# Altium PCB HIL_RIG_REV_1_2.PcbDoc (part 12 of 14) (continued)
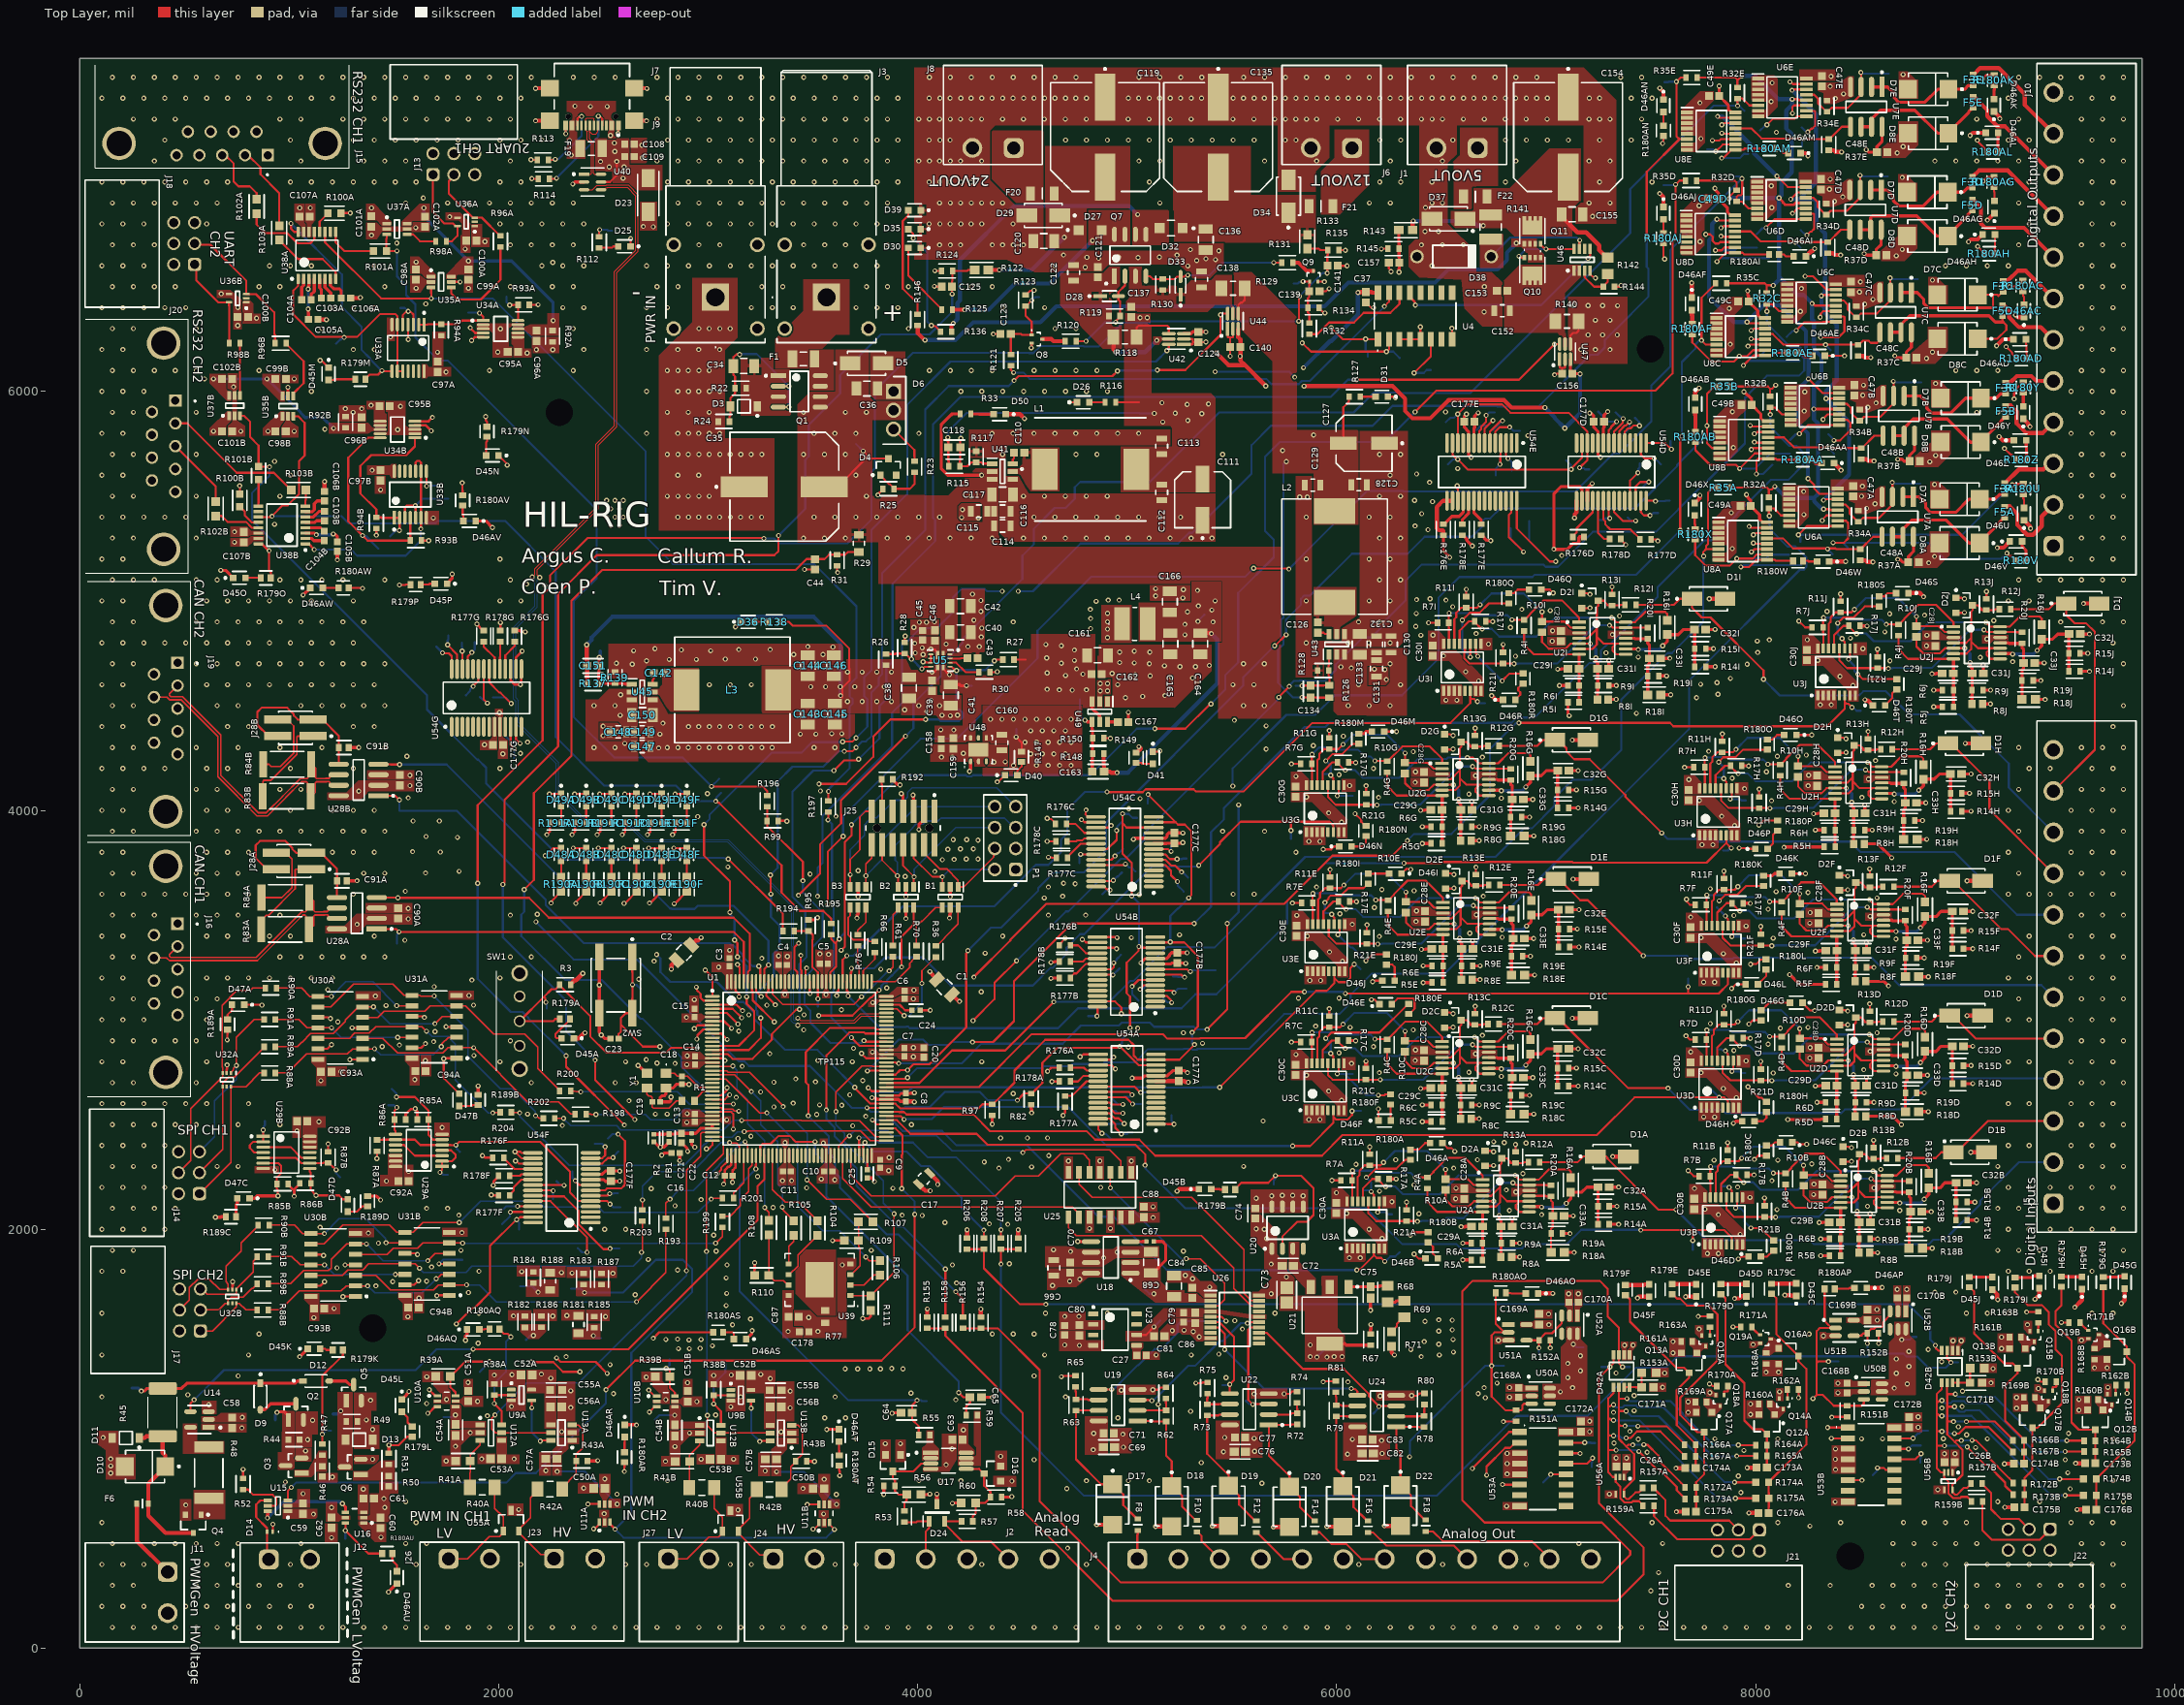
[diagram p0: Top Layer view]
## Nets (pads, with @x,y where several pads share a name; then routed paths per layer and width w, separated by ;. In a path a pad name is that pad's centre, name@x,y a point inside that pad or via, vN(x,y) a via of type N, cw(c..) or ccw(c..) an arc to the next point about the centre after c; other vN are vias at no path point) (continued)
  Bottom Layer w15: v1(1130,5316) 1202.73,5316 1204.3,5317.57 1208.49,5317.57 v1(1210.21,5319.3)
V_REF_HV_24V: R184.2 R188.1 TP103.1 U11A.1 U11B.1 | length 2929
  Top Layer w10: v1(2453.52,570.52) 2456.2,573.2 2462.07,573.2 2480.93,592.06 U11A.1@2480.93,601.91 ; v1(3500.78,569.04) 3503.46,571.72 3509.33,571.72 3528.19,590.58 U11B.1@3528.19,600.43
  Int3 (Sign) w10: v1(2188,1700) 2188,1674 2215.45,1646.55 2232.4,1646.55 2283.17,1595.77 2283.17,1594.48 2360,1517.64 2516.36,1517.64 2714.48,1319.52 2714.62,1319.52 2744.28,1289.85 2744.28,1117.07 2744,1116.79 2744,910 2594.48,760.48 2554.38,760.48 2539.74,745.84 2539.74,714.09 2478.52,652.88 2478.52,644.52 2453.52,619.52 2453.52,532.51 2494.03,492 3423.74,492 v1(3500.78,569.04)
  Bottom Layer w10: TP103.1@2102.24,1727.76 2160.24,1727.76 v1(2188,1700)
V_TERMINAL: F1.1 J3.1
VBUS: C45.1 C46.2 C108.1 C109.1 D23.1 F19.2 R112.1 TP62.1 U5.2 U40.5 | length 300.7
  Top Layer w10: R112.1@2480,6739.2 2480,6770 v1(2482,6772) ; U40.5@2488.37,7000 2532,7000 2564,7032 v1(2564,7098) ; v1(4063.22,4770.25) 4065.9,4767.57 4081.49,4767.57 4091.56,4757.49 4091.56,4744.7 U5.2@4094.44,4741.82
  Bottom Layer w10: v1(2482,6772) 2518.19,6772 2522.19,6768 TP62.1@2542,6768
  other v1: 4026,4744 3988,4752 4022,4776 3986,4798 2535,5360 2575,5360 2515,5400 2555,5400 2595,5400 2535,5440 2575,5440 2515,5480 2555,5480 2595,5480 2594,7018 2528,7072 2598,7072 2486,7098 2554,7146 2552,7186
VBUS_RAW: F19.1 J9.A4-B9 J9.B4-A9
  other v1: 2346,7128 2338,7198 2534,7222 2438,7360 2518,7360 2364,7362
VCAP_1: C25.1 U1.71 | length 67.7
  Top Layer w10: C25.1@3760.14,2284.25 3760.14,2308.5 U1.71@3760.16,2351.95
VCAP_2: C24.1 U1.106 | length 132.5
  Top Layer w10: U1.106@3850.71,3072.42 3913.58,3072.42 3940,3046 C24.1@3972.23,3046
VDD_REGULATED: B1.5 B2.5 B3.5 C1.1 C2.1 C3.2 C4.2 C5.2 C6.2 C7.2 C8.2 C9.2 C10.2 C11.2 C12.2 C13.2 C14.2 C15.2 C16.2 C17.2 C20.2 C63.2 C124.2 C140.2 C156.2 C160.2 D15.2 D16.2 FB1.2 J25.3 P1.1 R2.2 R5A.1 R5B.1 R5C.1 R5D.1 R5E.1 R5F.1 R5G.1 R5H.1 R5I.1 R5J.1 R7A.2 R7B.2 R7C.2 R7D.2 R7E.2 R7F.2 R7G.2 R7H.2 R7I.2 R7J.2 R8A.1 R8B.1 R8C.1 R8D.1 R8E.1 R8F.1 R8G.1 R8H.1 R8I.1 R8J.1 R11A.2 R11B.2 R11C.2 R11D.2 R11E.2 R11F.2 R11G.2 R11H.2 R11I.2 R11J.2 R14A.1 R14B.1 R14C.1 R14D.1 R14E.1 R14F.1 R14G.1 R14H.1 R14I.1 R14J.1 R17A.2 R17B.2 R17C.2 R17D.2 R17E.2 R17F.2 R17G.2 R17H.2 R17I.2 R17J.2 R18A.1 R18B.1 R18C.1 R18D.1 R18E.1 R18F.1 R18G.1 R18H.1 R18I.1 R18J.1 R21A.2 R21B.2 R21C.2 R21D.2 R21E.2 R21F.2 R21G.2 R21H.2 R21I.2 R21J.2 R54.1 R58.1 R147.1 R181.1 R182.1 R183.1 R184.1 SW1.1 TP72.1 U1.6 U1.17 U1.30 U1.39 U1.52 U1.62 U1.72 U1.84 U1.95 U1.108 U1.121 U1.131 U1.143 U1.144 U17.8 U42.3 U44.3 U47.3 U48.4 | length 8615.8
  Top Layer w10: v1(4470,4350) 4496,4324 R147.1@4496,4280.23 ; v1(5784.63,2893.75) R7C.2@5828.07,2893.75 ; v1(5784.63,4221.75) R7G.2@5828.07,4221.75 ; v1(5788.63,3557.75) R7E.2@5832.07,3557.75 ; R11C.2@5964.89,3018.44 v1(5964.89,3053.44) ; R11G.2@5964.89,4346.44 v1(5964.89,4381.44) ; R11E.2@5968.89,3682.44 v1(5968.89,3717.44) ; v1(5977.63,2233.75) R7A.2@6021.07,2233.75 ; R21G.2@6140.89,4080.44 v1(6140.89,4117.77) ; R21E.2@6144.89,3416.44 v1(6144.89,3453.77) ; R11A.2@6157.89,2358.44 v1(6157.89,2393.44) ; R21A.2@6333.89,2092.44 v1(6333.89,2129.77) ; v1(6438.63,4895.75) R7I.2@6482.07,4895.75 ; R11I.2@6618.89,5020.44 v1(6618.89,5055.44) ; R21I.2@6794.89,4754.44 v1(6794.89,4791.77) ; v1(7660.63,4205.75) R7H.2@7704.07,4205.75 ; v1(7668,2924) 7686.25,2905.75 R7D.2@7712.07,2905.75 ; v1(7670,3576) 7672.68,3573.32 7672.68,3563.32 7686.23,3549.77 R7F.2@7712.09,3549.77 ; v1(7678,2280) 7704.25,2253.75 R7B.2@7730.07,2253.75 ; R11H.2@7840.89,4330.44 v1(7840.89,4365.44) ; R11D.2@7848.89,3030.44 v1(7848.89,3065.44) ; R11F.2@7848.89,3674.44 v1(7848.89,3709.44) ; R11B.2@7866.89,2378.44 v1(7866.89,2413.44) ; R21H.2@8016.89,4064.44 v1(8016.89,4101.77) ; R21D.2@8024.89,2764.44 v1(8024.89,2801.77) ; R21F.2@8024.89,3408.44 v1(8024.89,3445.77) ; R21B.2@8042.89,2112.44 v1(8042.89,2149.77) ; v1(8206,4904) 8236.25,4873.75 R7J.2@8269.07,4873.75 ; R11J.2@8405.89,4998.44 v1(8405.89,5033.44) ; R21J.2@8581.89,4732.44 v1(8581.89,4769.77)
  Top Layer w12: v1(3116,2224) 3117.29,2225.29 C12.2@3117.29,2256 3117.29,2282.17 3130.24,2295.12 U1.39@3130.24,2351.95 ; U1.84@3850.71,2639.35 3911.89,2639.35 3921.83,2649.29
  Top Layer w15: R2.2@2741.07,2418.1 2741.21,2418.1 2757.99,2401.31 2760.25,2401.31 2769.56,2392 v1(2772,2392) 2773.72,2393.72 2790.52,2393.72 2813.07,2416.27 FB1.2@2813.07,2417.11 ; v1(2778,2354) 2780.44,2354 2790.39,2363.95 C16.2@2825.78,2363.95 ; v1(3710,3486) 3711.72,3487.72 3711.72,3501.12 3715.4,3504.8 B3.5@3715.4,3536.43 ; v1(3838,734) 3838,750.72 3838.72,751.44 R54.1@3838.72,775.43 ; 3921.83,2649.29 C8.2@3944,2649.29 3966.17,2649.29 3967.16,2650.28 3982.28,2650.28 v1(3984,2652) ; B2.5@3943.7,3536.48 3943.7,3504.86 3944,3504.56 v1(3944,3484) ; v1(4006,3908) 4006,3931 4030.4,3955.4 J25.3@4030.4,3995.76 ; v1(4152,3486) 4153.72,3487.72 4153.72,3503.12 4155.4,3504.8 B1.5@4155.4,3536.43 ; R58.1@4400.64,722 4444.92,722 4446.92,724 v1(4449.36,724) ; U42.3@5270.97,6276.06 5304.76,6276.06 5313.3,6284.61 C124.2@5340,6284.61 5375.39,6284.61 v1(5376,6284) ; R17C.2@6057.64,2900.82 6089.98,2900.82 v1(6091,2899.79) ; R17G.2@6057.64,4228.82 6089.98,4228.82 v1(6091,4227.79) ; R17E.2@6061.64,3564.82 6093.98,3564.82 v1(6095,3563.79) ; R17A.2@6250.64,2240.82 6282.98,2240.82 v1(6284,2239.79) ; v1(6409.13,2514) R5C.1@6450.49,2514 ; v1(6409.13,3842) R5G.1@6450.49,3842 ; v1(6413.13,3178) R5E.1@6454.49,3178 ; v1(6602.13,1854) R5A.1@6643.49,1854 ; R8C.1@6643.77,2528 v1(6680.49,2528) ; R8G.1@6643.77,3856 v1(6680.49,3856) ; R8E.1@6647.77,3192 v1(6684.49,3192) ; R17I.2@6711.64,4902.82 6743.98,4902.82 v1(6745,4901.79) ; R8A.1@6836.77,1868 v1(6873.49,1868) ; R18C.1@6894.35,2549.79 v1(6941,2549.79) ; R18G.1@6894.35,3877.79 v1(6941,3877.79) ; R18E.1@6898.35,3213.79 v1(6945,3213.79) ; R18A.1@7087.35,1889.79 v1(7134,1889.79) ; R5I.1@7104.49,4516 7104.49,4459.95 7110,4454.44 v1(7110,4452) ; R14C.1@7110.08,2683.79 v1(7152.99,2683.79) ; R14G.1@7110.08,4011.79 v1(7152.99,4011.79) ; R14E.1@7114.08,3347.79 v1(7156.99,3347.79) ; U47.3@7116.08,6153.86 7116.08,6094 C156.2@7125.08,6085 7161,6085 v1(7162,6084) ; R8I.1@7297.77,4530 v1(7334.49,4530) ; R14A.1@7303.08,2023.79 v1(7345.99,2023.79) ; R18I.1@7548.35,4551.79 v1(7595,4551.79) ; R14I.1@7764.08,4685.79 v1(7806.99,4685.79) ; R17H.2@7933.64,4212.82 7965.98,4212.82 v1(7967,4211.79) ; R17D.2@7941.64,2912.82 7973.98,2912.82 v1(7975,2911.79) ; R17F.2@7941.64,3556.82 7973.98,3556.82 v1(7975,3555.79) ; R17B.2@7959.64,2260.82 7991.98,2260.82 v1(7993,2259.79) ; v1(8136,3824) 8137,3825 8285,3825 8286,3826 R5H.1@8326.49,3826 ; v1(8154,2524) 8311.52,2524 8313.52,2526 R5D.1@8334.49,2526 ; v1(8162,3216) 8208,3170 R5F.1@8334.49,3170 ; v1(8311.13,1874) R5B.1@8352.49,1874 ; R17J.2@8498.64,4880.82 8530.98,4880.82 v1(8532,4879.79) ; R8H.1@8519.77,3840 8584,3840 v1(8650,3774) ; R8D.1@8527.77,2540 8656,2540 v1(8696,2500) ; R8F.1@8527.77,3184 8612,3184 v1(8634,3162) ; R8B.1@8545.77,1888 v1(8582.49,1888) ; R18H.1@8770.35,3861.79 v1(8817,3861.79) ; R18D.1@8778.35,2561.79 v1(8825,2561.79) ; R18F.1@8778.35,3205.79 v1(8825,3205.79) ; R18B.1@8796.35,1909.79 v1(8843,1909.79) ; v1(8850.13,4494) R5J.1@8891.49,4494 ; R14H.1@8986.08,3995.79 v1(9028.99,3995.79) ; R14D.1@8994.08,2695.79 v1(9036.99,2695.79) ; R14F.1@8994.08,3339.79 v1(9036.99,3339.79) ; R14B.1@9012.08,2043.79 v1(9054.99,2043.79) ; R8J.1@9084.77,4508 v1(9121.49,4508) ; R18J.1@9335.35,4529.79 v1(9382,4529.79) ; R14J.1@9551.08,4663.79 v1(9593.99,4663.79)
  Top Layer w20: C2.1@2919.64,3356.77 2941.36,3378.5 2951.41,3378.5 2964.92,3392 v1(2966,3392) ; C17.2@4056.45,2268.45 4095.23,2229.66 4095.23,2214.77 v1(4096,2214) ; v1(4058,3230) 4058,3228.92 4070.88,3216.04 4070.88,3213.5 C1.1@4092.6,3191.77 ; v1(5426,6184) 5484,6126 5562,6126 ; U44.3@5530.59,6299.03 5530.59,6258.02 5541.21,6247.4 C140.2@5541.21,6212 5541.21,6170.29 5540,6169.08 v1(5540,6168) 5540.77,6167.23 5540.77,6147.23 5562,6126 ; v1(5662,6026) 5562,6126 ; v1(5844.31,6025.13) 5845.18,6026 6266.43,6026 6327,5965.43 6327,5906.57 6361.57,5872 6447.57,5872 6534.57,5959 6798.91,5959 6834.91,5923 v1(6994.36,5923) ; R21C.2@6140,2768.64 v1(6140,2802)
  Int2 (PWR) w20: v1(5376,6284) 5426,6234 v1(5426,6184) ; v1(7074.67,5216.67) 7092,5199.34 7092,5084
  Int3 (Sign) w20: v1(5662,6026) 5662.43,6025.57 5843.87,6025.57 v1(5844.31,6025.13) ; v1(7074.67,5216.67) 7089.4,5231.4 v1(7089.4,5824.15)
  Bottom Layer w10: v1(4470,4350) 4472,4352 TP72.1@4472,4388
  Bottom Layer w20: v1(6994.36,5923) 7041.61,5875.75 7041.61,5871.94 v1(7089.4,5824.15) 7162,5896.76 v1(7162,6084)
  other v1: 4396,916 3845.63,976.68 4218,1042 3654,1334 3714,1334 3772,1334 3822,1334 3930,1334 3876,1336 3116,1544 3202,1572 2070,1586.28 2325,1588 3086,1636 3088,1694 3086,1768 2350,1791.28 2110,1798 3090,1830 3398,2232 3604,2236 3864,2342 2900,2552.41 2898,2786 3980,2868 2896,3012 3982,3142 3050,3252 3335.94,3304.66 3532.79,3314.66 4118,3764 4174,3766 4232,3768 4288,3768 4144,3814 4204,3816 4266,3816 4288,3858 4170,3860 4234,3860 4457.5,4215 4567.5,4215 4622.5,4215 4677.5,4215 4732.5,4215 4540,4270 4595,4270 4650,4270 4705,4270 4512.5,4325 4567.5,4325 4622.5,4325 4677.5,4325 4732.5,4325 4540,4380 4595,4380 4650,4380 4705,4380 4347.5,4435 4402.5,4435 4457.5,4435 4512.5,4435 4567.5,4435 4622.5,4435 4677.5,4435 4732.5,4435
VIN: C35.2 C36.1 C114.1 C115.1 C116.1 C117.1 C130.1 C131.1 C132.1 C133.1 C147.1 C148.1 C149.1 C150.1 D4.3 D5.1 D6.2 Q1.5 Q1.6 R29.2 R33.1 TP9.1 U41.2 U41.3 U43.2 U43.3 U45.2 U45.3 | length 971.7
  Top Layer w10: C35.2@3555,5545 3617.99,5545 3752.99,5680 ; v1(3740,5715) 3740,5712.7 3752.99,5699.71 3752.99,5680 ; D4.3@3860,5679.37 3836.25,5679.37 3835.62,5680 3752.99,5680
  Top Layer w15: R33.1@4195.72,5893.03 4164.92,5893.03 4159.89,5888 4158,5888 4113.11,5843.11 4113.11,5630.21 4143.32,5600 v1(4305,5600)
  Bottom Layer w10: TP9.1@3705,5750 v1(3740,5715)
  other v1: 2455,4300 2555,4300 2602,4320 2580,4454 2455,4500 2555,4500 5555,4500 5655,4500 6055,4500 6155,4500 6255,4500 2582,4552 5505,4600 5605,4600 6105,4600 6305,4600 6070,4680 6020,4685 5555,4700 5655,4700 6255,4700 3455,5300 3555,5300 3655,5300 3855,5300 3955,5300 4055,5300 4155,5300 4255,5300 4355,5300 3505,5400 3605,5400 3705,5400 3805,5400 3905,5400 4005,5400 4105,5400 3755,5500 4255,5500 3705,5600 3455,5700 3555,5700 3655,5700 3505,5800 3605,5800 3705,5800 3455,5900 3655,5900 3755,5900
VIN_ADC: C44.2 R29.1 R31.2 U1.26 | length 4594.6
  Top Layer w10: v1(2122,3622) 2168,3668 2168,4082 2348,4262 2348,5002 2494,5148 3418,5148 3469.61,5199.61 C44.2@3510,5199.61 3555.6,5199.61 3576.37,5220.37 3591.75,5220.37 3592.01,5220.64 R31.2@3616,5220.64 3639.99,5220.64 3640.25,5220.37 3653.63,5220.37 3666.92,5233.66 R29.1@3720,5233.66 ; U1.26@3020,2619.67 3079.67,2619.67 v1(3102,2642)
  Bottom Layer w10: v1(2122,3622) 2122,3516.11 2108,3502.11 2108,3400 2317.05,3190.95 2490.68,3190.95 2675.64,3006 2686.65,3006 2873,2819.65 2873,2775.64 3006.65,2642 v1(3102,2642)
VIN_LED_Anode: D50.2 R33.2 | length 101.8
  Top Layer w15: R33.2@4260.84,5893.03 4291.64,5893.03 4293.38,5891.29 D50.2@4361.92,5891.29
VIN_Polarity_Gate: C34.2 D3.2 Q1.2 Q1.4 R22.1 R24.2 | length 855.9
  Top Layer w10: R24.2@3101.64,5856.64 3101.64,5880.63 3105.91,5884.89 D3.2@3105.91,5929.13 3105.91,5968.56 3128.36,5991.01 R22.1@3128.36,6015 3128.36,6071.47 3119.77,6080.06 C34.2@3119.77,6121.64 3119.77,6163.23 3126.48,6169.94 3127.94,6169.94 3134.64,6176.64 v1(3150,6176.64) ; Q1.4@3335.17,5925 v1(3385,5925) ; Q1.2@3335.17,6025 v1(3385,6025)
  Bottom Layer w10: v1(3150,6176.64) 3151.68,6178.32 3231.68,6178.32 v1(3385,6025) v1(3385,5925)
VIN_Polarity_Source: C34.1 D3.1 Q1.1 Q1.3 R22.2
VIN_RAW: F1.2 Q1.7 Q1.8
Voltage_Select: D9.1 D12.1 R45.2 TP29.1 | length 840.7
  Top Layer w15: v1(294,1228) 308.9,1228 321.07,1240.17 485.83,1240.17 510.66,1265.01 D9.1@862,1265.01 1027.15,1265.01 1038.15,1276 D12.1@1064.99,1276
  Bottom Layer w15: TP29.1@250,1242 279.72,1242 293.72,1228 v1(294,1228)
VREF/VDDA: C21.2 C22.2 FB1.1 R2.1 U1.32 U1.33 | length 304.5
  Top Layer w15: R2.1@2741.07,2453.81 2790.85,2453.81 2791.83,2454.79 FB1.1@2813.07,2454.79 2845.18,2454.79 2848.34,2457.95 C21.2@2873.07,2457.95 2939.89,2457.95 2963.82,2481.87 U1.33@3020,2481.87 U1.32@3020,2495.78
VREF_HV_12V: R183.2 R187.1 TP102.1 U11A.3 U11B.3 | length 3228.4
  Top Layer w10: U11A.3@2532.11,601.91 2532.11,592.06 2555.52,568.66 v1(2555.52,568.52) ; U11B.3@3579.37,600.43 3579.37,590.58 3602.78,567.17 v1(3602.78,567.04)
  Bottom Layer w10: TP102.1@2346,1716 2392,1716 v1(2410,1698) 2593.89,1698 2749.89,1854 2879.36,1854 2924,1809.36 2924,1701.36 2633,1410.36 2633,646 v1(2555.52,568.52) 2596.04,528 3563.74,528 v1(3602.78,567.04)
VREF_HVA: C57A.1 TP23A.1 U11A.4 U13A.1 | length 350.9
  Bottom Layer w10: v1(2279,844) 2410.04,844 v1(2565.52,688.52)
VREF_HVB: C57B.1 TP23B.1 U11B.4 U13B.1 | length 350.9
  Bottom Layer w10: v1(3326.26,842.52) 3457.31,842.52 v1(3612.78,687.04)
VREF_LV_3V3: R181.2 R185.1 TP100.1 U10A.3 U10B.3 | length 1708
  Top Layer w10: v1(1662,1122) 1665.54,1122 1697.54,1154 U10A.3@1707.39,1154 ; v1(2719.28,1127.43) 2719.72,1127.43 2744.81,1152.52 U10B.3@2754.65,1152.52
  Int3 (Sign) w10: v1(1662,1122) 1765.64,1122 1801.64,1158 1884.64,1158 1899.64,1143 2014.64,1143 2050.64,1179 2202.36,1179 2345,1321.64 2345,1379.64 2347,1381.64 2347,1387 v1(2452,1492) 2452,1300 2478.78,1273.22 2478.78,1206.56 2540.43,1144.91 2701.8,1144.91 v1(2719.28,1127.43)
  Bottom Layer w10: v1(2452,1492) 2455.79,1492 2467.79,1480 TP100.1@2488,1480
VREF_LV_5V: R182.2 R186.1 TP101.1 U10A.1 U10B.1 | length 1503.7
  Top Layer w10: v1(1669,1234) 1669,1233.72 1697.54,1205.18 U10A.1@1707.39,1205.18 ; v1(2276,1386) 2295,1367 2463,1367 v1(2518,1312) ; v1(2716.26,1232.52) 2716.26,1232.24 2744.81,1203.7 U10B.1@2754.65,1203.7
  Int3 (Sign) w10: v1(1669,1234) 2056,1234 2162.85,1340.85 2164.95,1340.85 2179.59,1355.5 2179.59,1357.59 2208,1386 v1(2276,1386) 2276,1434 2216.72,1493.28 v1(2166,1493.28) ; v1(2518,1312) 2597.48,1232.52 v1(2716.26,1232.52)
  Bottom Layer w10: TP101.1@2130,1471.28 2149.81,1491.1 2163.81,1491.1 v1(2166,1493.28)
VREF_LVA: C54A.1 TP22A.1 U10A.4 U12A.1 | length 59.1
  Bottom Layer w10: TP22A.1@1738,1104 1780.14,1104 1790.14,1114 v1(1793,1114)
VREF_LVB: C54B.1 TP22B.1 U10B.4 U12B.1 | length 102.2
  Bottom Layer w10: TP22B.1@2746.73,1091.46 2767.79,1112.52 v1(2840.26,1112.52)
VSENSE_HVA: R42A.2 R43A.1 U13A.3 | length 381.8
  Top Layer w6.12: R42A.2@2303.52,760 2303.52,767.92 2367.52,831.92 2370.41,834.81 R43A.1@2370.41,894 ; U13A.3@2351.36,1066.4 2381.02,1066.4 2402.21,1045.21 2402.21,957.08 2370.41,925.28 R43A.1@2370.41,897.94
VSENSE_HVB: R42B.2 R43B.1 U13B.3 | length 382.7
  Top Layer w6.12: R42B.2@3350.78,758.52 3350.78,766.44 3393.38,809.04 3393.38,846 3393.38,865.21 3417.67,889.5 R43B.1@3417.67,892.52 ; U13B.3@3398.62,1064.92 3428.28,1064.92 3449.47,1043.73 3449.47,1037.1 3449.18,1036.82 3449.18,947.96 3449.18,927.05 R43B.1@3417.67,895.54
VSENSE_LVA: R40A.2 R41A.1 U12A.3 | length 244
  Top Layer w6.12: R40A.2@1862.42,768 1862.42,837.48 1864,839.06 R41A.1@1864,894 1864.02,923.87 1911.64,971.48 U12A.3@1911.64,991.6
VSENSE_LVB: R40B.2 R41B.1 U12B.3 | length 244
  Top Layer w6.12: R40B.2@2909.68,766.52 2909.68,835.68 2911.26,837.26 R41B.1@2911.26,892.52 ; R41B.1@2911.26,892.52 2911.29,922.39 2958.9,970 U12B.3@2958.9,990.12
pads on no net: D4.2 J3.2 J3.3 J3.4 J3.5 J7.2 J7.3 J7.4 J7.5 J9.5 J9.6 J9.A8 J9.B8 J13.6 J15.1 J15.4 J15.6 J15.7 J15.8 J15.9 J15.SH1 J15.SH2 J16.1 J16.4 J16.5 J16.6 J16.8 J16.9 J16.SH1 J16.SH2 J18.6 J19.1 J19.4 J19.5 J19.6 J19.8 J19.9 J19.SH1 J19.SH2 J20.1 J20.4 J20.6 J20.7 J20.8 J20.9 J20.SH1 J20.SH2 J21.5 J22.5 J25.1 J25.2 J25.9 J25.10 J25.MH1 J25.MH2 U1.11 U1.12 U1.22 U1.47 U1.49 U1.50 U1.53 U1.54 U1.55 U1.56 U1.57 U1.58 U1.59 U1.60 U1.63 U1.66 U1.68 U1.75 U1.98 U1.101 U1.102 U1.110 U1.113 U1.118 U1.123 U1.128 U1.129 U1.132 U3A.5 U3B.5 U3C.5 U3D.5 U3E.5 U3F.5 U3G.5 U3H.5 U3I.5 U3J.5 U4.7 U4.9 U4.10 U4.11 U4.12 U9A.1 U9B.1 U20.4 U23.1 U23.3 U23.7 U23.8 U25.11 U26.8 U26.10 U26.11 U26.12 U26.17 U29A.11 U29B.11 U32A.5 U32B.5 U33A.11 U33A.12 U33A.13 U33B.11 U33B.12 U33B.13 U36A.2 U36B.2 U38A.10 U38B.10 U46.6 U48.3 U48.5 U50A.4 U50B.4 U51A.1 U51B.1 U52A.4 U52B.4 U53A.7 U53A.9 U53A.10 U53A.11 U53B.7 U53B.9 U53B.10 U53B.11 U54A.11 U54A.14 U54B.11 U54B.14 U54C.11 U54C.14 U54D.11 U54D.14 U54E.11 U54E.14 U54F.11 U54F.14 U54G.11 U54G.14 U56A.2 U56B.2

## Polygon pours and split planes (outlines as drawn)
VIN on Top Layer "VIN_L01_P2834" (solid, pour order 4107): 4384,5318 4405,5258 5734,5258 5734,4442 5736,4440 5734,4438 5436,4438 5436,5082 3812,5082 3812,5318
24V_OUT_Shunted on Top Layer "24V_OUT_SHUNTED_L01_P038" (solid, pour order 3735): 4885,6565 4915,6595 4965,6595 4965,6505 4925,6465 4925,6315 4975,6315 4975,6205 4885,6205 4680,6410 4680,6565
GND on Top Layer "GND_L01_P040" (solid, pour order 3737): 54 vertices, not listed, extent 3985,6310 7335,7545
VDD_REGULATED on Top Layer "VDD_REGULATED_L01_P001" (solid, pour order 3705): 4310.47,4500 4310.47,4166 4784,4166 4784,4500
24V on Top Layer "24V_L01_P2402" (solid, pour order 4016): 5590,2078 5864,2078 5864,2190 5590,2190
GND on Top Layer "GND_L01_P2403" (solid, pour order 4017): 23 vertices, not listed, extent 5590,1670 5798,2078
GND on Top Layer "GND_L01_P2353" (solid, pour order 3967): 478,712 532,712 532,610 478,610
GND on Top Layer "GND_L01_P2354" (solid, pour order 3968): 82,978 124,946 124,806 266,806 266,926 186,926 186,1038 82,1038
NMOS_gate on Top Layer "NMOS_GATE_L01_P2355" (solid, pour order 3969): 544,756 544,616 694,616 694,756
Gate_driver_out on Top Layer "GATE_DRIVER_OUT_L01_P2356" (solid, pour order 3970): 494,1072 494,928 690,928 690,990 560,990 560,1072
12V_base on Top Layer "12V_BASE_L01_P2357" (solid, pour order 3971): 1024,852 1092,852 1140,942 1180,942 1180,842 1130,842 1106,818 1024,818
12V_gate on Top Layer "12V_GATE_L01_P2358" (solid, pour order 3972): 968,1132 1022,1132 1024,1130 1024,852 948,852 946,850 946,936 966,936
12V on Top Layer "12V_L01_P2359" (solid, pour order 3973): 1024,1129.87 1024.13,1130 1136,1130 1136,1022 1108,1022 1108,962 1024,962
24V_gate on Top Layer "24V_GATE_L01_P2360" (solid, pour order 3974): 1302,850 1302,1222 1230,1222 1230,850
24V on Top Layer "24V_L01_P2361" (solid, pour order 3975): 1374,1220.7 1374.7,1220 1416,1220 1416,1134 1415,1135 1390,1135 1390,1066 1430,1066 1430,952 1302,952 1302,1221.08 1373.08,1221.08 1374,1222
24V_base on Top Layer "24V_BASE_L01_P2362" (solid, pour order 3976): 1504,896 1438,896 1372,846 1306,846 1306,802 1504,802
GND on Top Layer "GND_L01_P2363" (solid, pour order 3977): 580,1106 580,1080 682,1080 796,1080 796,1124 674,1124 656,1106 646,1106
12V on Top Layer "12V_L01_P2364" (solid, pour order 3978): 580,1042 658,1042 670,1030 794,1030 796,1028 796,1072 580,1072
12V on Top Layer "12V_L01_P2365" (solid, pour order 3979): 582,1118 652,1118 652,1180 582,1180
3V3 on Top Layer "3V3_L01_P2366" (solid, pour order 3980): 1380,780 1380,640 1328,640 1328,780
GND on Top Layer "GND_L01_P2367" (solid, pour order 3981): 1430,738.7 1430,794 1518,794 1520,792 1520,738 1480.7,738 1480,738.7 1480,602 1414,602 1378,612 1328,612 1328,640 1380,640 1380,738.7
GND on Top Layer "GND_L01_P2368" (solid, pour order 3982): 1170,596 1230,596 1230,508 1170,508
5V on Top Layer "5V_L01_P2369" (solid, pour order 3983): 1176,698 1228,698 1228,648 1244,632 1290,632 1290,614 1248,614 1238,604 1176,604
5V on Top Layer "5V_L01_P2370" (solid, pour order 3984): 1462,508 1462,598 1382,598 1371.98,608.02 1330,608.02 1330,588 1410,508
GND on Top Layer "GND_L01_P2371" (solid, pour order 3985): 1308,922 1308,880 1408,880 1428,900 1428,922
GND on Top Layer "GND_L01_P2372" (solid, pour order 3986): 1230,836 1136,836 1136,792 1230,792
GND on Top Layer "GND_L01_P2373" (solid, pour order 3987): 1024,962 1106,962 1106,892 1024,892
3V3 on Top Layer "3V3_L01_P2374" (solid, pour order 3988): 970,666 1134,666 1134,626 1126,618 970,618
GND on Top Layer "GND_L01_P2375" (solid, pour order 3989): 970,694 1022,694 1040,712 1040,760 1100,760 1100,668 970,668
VIN on Top Layer "VIN_L01_P020" (solid, pour order 3719): 4036,5280 4036,5505 3787.5,5505 3782.5,5500 3782.5,5863.36 3942.5,5863.36 3942.5,5953.36 3790.64,5953.36 3767.5,5976.5 3767.5,6198.36 3607.5,6198.36 3607.5,5998.36 3487.5,5998.36 3427.5,5938.36 3427.5,5280
GND on Top Layer "GND_L01_P4268" (solid, pour order 4274): 2756,6904 2676,6904 2673,6901 2674,6900 2674,6768 2756,6768 2756,6902
GND on Top Layer "GND_L01_P034" (solid, pour order 3732): 20 vertices, not listed, extent 2525,4230 3700,4795
12V on Top Layer "Top Layer-12V_REGULATED" (solid, pour order 3749): 5695,6145 5510,6330 5510,6570 5595,6570 5810.24,6354.76 5810.24,5815 6110.47,5815 6110.47,5365 5890.47,5365 5890.47,5610 5695,5610
DAC_Reg_5V on Top Layer "DAC_REG_5V_L01_P2397" (solid, pour order 4011): 5160,1752 5188,1724 5188,1650 5133.48,1650 4972,1778.07 4972,1858 5160,1858
VBUS_RAW on Top Layer "VBUS_RAW_L01_P4265" (solid, pour order 4265): 2374,7203 2375,7202 2414,7202 2414,7112 2326.51,7112 2326.51,7386 2558,7386 2558,7208 2522,7208 2522,7294 2374,7294
5V_REGULATED on Top Layer "5V_REGULATED_L01_P061" (solid, pour order 3752): 7105,6132 7105,6452 7388,6452 7388,6132
5V on Top Layer "5V_L01_P026" (solid, pour order 3725): 29 vertices, not listed, extent 3895,4395 4560,5070
5V on Top Layer "5V_L01_P003" (solid, pour order 3707): 4846.48,4490.4 4542.9,4490.4 4542.9,4840.4 4846.48,4840.4
GND on Top Layer "GND_L01_P4268" (solid, pour order 4268): 2706,7210 2626,7210 2623,7207 2624,7206 2624,7090 2706,7090 2708,7092 2706,7094 2706,7208
VBUS on Top Layer "VBUS_L01_P4267" (solid, pour order 4267): 2624,7080 2780,7080 2782,7078 2782,6960 2658,6960 2622,6996 2546,6996 2544,6994 2542,6996 2542,7050 2460,7050 2460,7208 2622,7208 2624,7206
3V3 on Top Layer "3V3_REGULATED_L01_P013" (solid, pour order 3712): 5308,4992 5308,5090 5448,5090 5448,4992 5448,4805.4 5056.48,4805.4 5056.48,4992
24V on Top Layer "24V_REGULATED_L01_P016" (solid, pour order 3715): 4985,5995.5 4985,6325 5100,6325 5115,6310 5115,5990.5 5400,5990.5 5420,5970.5 5420,5515.5 4970,5515.5 4970,5735.5 5215,5735.5 5215,5825.5 5205,5835.5 4985,5835.5
Analogue_IN_buffered_1 on Top Layer "ANALOGUE_IN_BUFFERED_1_L01_P4257" (solid, pour order 4257): 4280,920 4196,920 4192,916 4192,870 4302,870 4302,1132 4268,1132 4268,970 4280,958 4280,928
Analogue_IN_buffered_0 on Top Layer "ANALOGUE_IN_BUFFERED_0_L01_P4256" (solid, pour order 4256): 4022,896 4102,896 4102,952 4076,978 4076,1040 4042,1040 4042,976 4022,956
GND on Top Layer "GND_L01_P2247" (solid, pour order 3867): 5918.14,4087.86 6052,3954 6050,3952 6050,3868 5996,3868 5996,3926 5882,4040 5782,4040 5782,4087.86
GND on Top Layer "GND_L01_P185" (solid, pour order 3769): 8839.33,6053.07 8839.33,5923.07 8931.33,5923.07 8931.33,6013.07 8919.33,6013.07 8879.33,6053.07
GND on Top Layer "GND_L01_P2247" (solid, pour order 3871): 7820.14,2119.86 7954,1986 7952,1984 7952,1900 7898,1900 7898,1958 7784,2072 7684,2072 7684,2119.86
GND on Top Layer "GND_L01_P2247" (solid, pour order 3873): 7802.14,3415.86 7936,3282 7934,3280 7934,3196 7880,3196 7880,3254 7766,3368 7666,3368 7666,3415.86
3V3 on Top Layer "3V3_L01_P2237" (solid, pour order 3860): 6436.89,4767.79 6520.89,4767.79 6520.89,4823.79 6486.89,4857.79 6436.89,4857.79
GND on Top Layer "GND_L01_P2247" (solid, pour order 3869): 6572.14,4761.86 6706,4628 6704,4626 6704,4542 6650,4542 6650,4600 6536,4714 6436,4714 6436,4761.86
GND on Top Layer "GND_L01_P2257" (solid, pour order 3880): 6600,4507.79 6546,4507.79 6496.89,4507.79 6496.89,4600 6600,4600
3V3 on Top Layer "3V3_L01_P2267" (solid, pour order 3890): 6678.89,4823.79 6742.89,4823.79 6742.89,4763.79 6678.89,4763.79
5V on Top Layer "5V_L01_P2277" (solid, pour order 3900): 7008.89,4835.79 7194.89,4835.79 7194.89,4855.79 7122.89,4855.79 7098.89,4879.79 7008.89,4879.79
GND on Top Layer "GND_L01_P2287" (solid, pour order 3910): 7006.89,4827.79 7092.89,4827.79 7092.89,4785.79 7006.89,4785.79
GND on Top Layer "GND_L01_P2297" (solid, pour order 3920): 7418.89,4857.79 7418.89,4835.79 7348.89,4835.79 7332.89,4819.79 7294.89,4819.79 7294.89,4857.79
GND on Top Layer "GND_L01_P3676" (solid, pour order 4129): 4700,2238 4700,2346 4740,2346 4740,2238
GND on Top Layer "GND_L01_P3671" (solid, pour order 4124): 1984,4454 1996,4442 1996,4246 2044,4246 2044,4334 2040,4334 2020,4354 2020,4486 1984,4486
GND on Top Layer "GND_L01_P179" (solid, pour order 3753): 20 vertices, not listed, extent 7794.14,5185.88 7949.14,5475.88
GND on Top Layer "GND_L01_P181" (solid, pour order 3758): 8129.14,5545.88 8129.14,5435.88 8139.14,5425.88 8199.14,5425.88 8204.14,5420.88 8204.14,5395.88 8194.14,5385.88 8134.14,5385.88 8134.14,5360.88 8144.14,5350.88 8204.14,5350.88 8254.14,5400.88 8254.14,5535.88 8239.14,5550.88 8139.14,5550.88
GND on Top Layer "GND_L01_P183" (solid, pour order 3763): 8446.14,5517.56 8446.14,5477.56 8474.14,5465.56 8474.14,5420.88 8479.14,5415.88 8529.14,5415.88 8618.38,5449.8 8618.38,5547.56 8592.14,5547.56 8550.62,5517.56 8505.82,5517.56
GND on Top Layer "GND_L01_P185" (solid, pour order 3768): 8834.14,5570.88 8834.14,5440.88 8926.14,5440.88 8926.14,5530.88 8914.14,5530.88 8874.14,5570.88
GND on Top Layer "GND_L01_P1177" (solid, pour order 3849): 8754.14,5207.88 8754.14,5157.88 8866.14,5157.88 8926.14,5217.88 8926.14,5329.88 8924.14,5331.88 8832.14,5331.88 8832.14,5275.88 8824.14,5267.88
24V on Top Layer "24V_L01_P3665" (solid, pour order 4118): 8360.14,5525.56 8532.14,5525.56 8532.14,5579.56 8360.14,5579.56
GND on Top Layer "GND_L01_P179" (solid, pour order 3757): 20 vertices, not listed, extent 7644.05,7142.88 7799.05,7432.88
GND on Top Layer "GND_L01_P181" (solid, pour order 3762): 7979.05,7502.88 7979.05,7392.88 7989.05,7382.88 8049.05,7382.88 8054.05,7377.88 8054.05,7352.88 8044.05,7342.88 7984.05,7342.88 7984.05,7317.88 7994.05,7307.88 8054.05,7307.88 8104.05,7357.88 8104.05,7492.88 8089.05,7507.88 7989.05,7507.88
GND on Top Layer "GND_L01_P183" (solid, pour order 3767): 8296.05,7474.56 8296.05,7434.56 8324.05,7422.56 8324.05,7377.88 8329.05,7372.88 8379.05,7372.88 8468.29,7406.8 8468.29,7504.56 8442.05,7504.56 8400.53,7474.56 8355.73,7474.56
GND on Top Layer "GND_L01_P185" (solid, pour order 3772): 8684.05,7527.88 8684.05,7397.88 8776.05,7397.88 8776.05,7487.88 8764.05,7487.88 8724.05,7527.88
GND on Top Layer "GND_L01_P1177" (solid, pour order 3853): 8604.05,7164.88 8604.05,7114.88 8716.05,7114.88 8776.05,7174.88 8776.05,7286.88 8774.05,7288.88 8682.05,7288.88 8682.05,7232.88 8674.05,7224.88
24V on Top Layer "24V_L01_P3669" (solid, pour order 4122): 8210.05,7482.56 8382.05,7482.56 8382.05,7536.56 8210.05,7536.56
3V3 on Top Layer "3V3_L01_P2417" (solid, pour order 4040): 8443.6,1579 8434,1579 8434,1553 8503.6,1553 8509.6,1547 8599.6,1547 8599.6,1587 8511.6,1587 8503.6,1579
I2C_DUT_VCCB on Top Layer "I2C_DUT_VCCA_L01_P2435" (solid, pour order 4072): 9229.6,1413 9229.6,1465 9229.6,1503 9155.6,1503 9155.6,1413
I2C_DUT_VCCB on Top Layer "I2C_DUT_VCCA_L01_P2429" (solid, pour order 4060): 9301.6,1129 9301.6,1175 9295.6,1181 9295.6,1215 9229.6,1215 9229.6,1213 9229.6,1129
I2C_4K7_PMOS_GB on Top Layer "I2C_4K7_PMOS_GA_L01_P2430" (solid, pour order 4062): 9319.6,1215 9347.6,1215 9371.6,1191 9407.6,1191 9407.6,1165 9377.6,1135 9377.6,1129 9339.6,1129 9339.6,1161 9319.6,1181
I2C_DUT_VCCB on Top Layer "I2C_DUT_VCCA_L01_P2432" (solid, pour order 4066): 9069.6,1359 9151.6,1359 9151.6,1315 9069.6,1315
3V3 on Top Layer "3V3_L01_P2433" (solid, pour order 4068): 8929.6,1397 8949.6,1397 8949.6,1451 8959.6,1461 8959.6,1485 8925.6,1485 8925.6,1455 8929.6,1451
GND on Top Layer "GND_L01_P2434" (solid, pour order 4070): 8977.6,1397 8977.6,1441 8999.6,1463 8999.6,1485 8967.6,1485 8967.6,1457 8955.6,1445 8955.6,1397
I2C_DUT_VCCB on Top Layer "I2C_DUT_VCCA_L01_P2438" (solid, pour order 4078): 9695.6,1397 9601.6,1397 9601.6,1321 9695.6,1321
I2C_10K_PMOS_GB on Top Layer "I2C_10K_PMOS_GA_L01_P2436" (solid, pour order 4074): 9251.6,1503 9279.6,1503 9305.6,1477 9339.6,1477 9339.6,1449 9319.6,1449 9305.6,1435 9305.6,1413 9269.6,1413 9269.6,1451 9251.6,1469
GND on Top Layer "GND_L01_P2437" (solid, pour order 4076): 9319.6,1501 9319.6,1563 9279.6,1563 9279.6,1523 9301.6,1501
GND on Top Layer "GND_L01_P2439" (solid, pour order 4080): 9601.6,1487 9537.6,1487 9537.6,1453 9569.6,1453 9583.6,1467 9601.6,1467